# KiCad board EBAZ4205.kicad_pcb (continued)
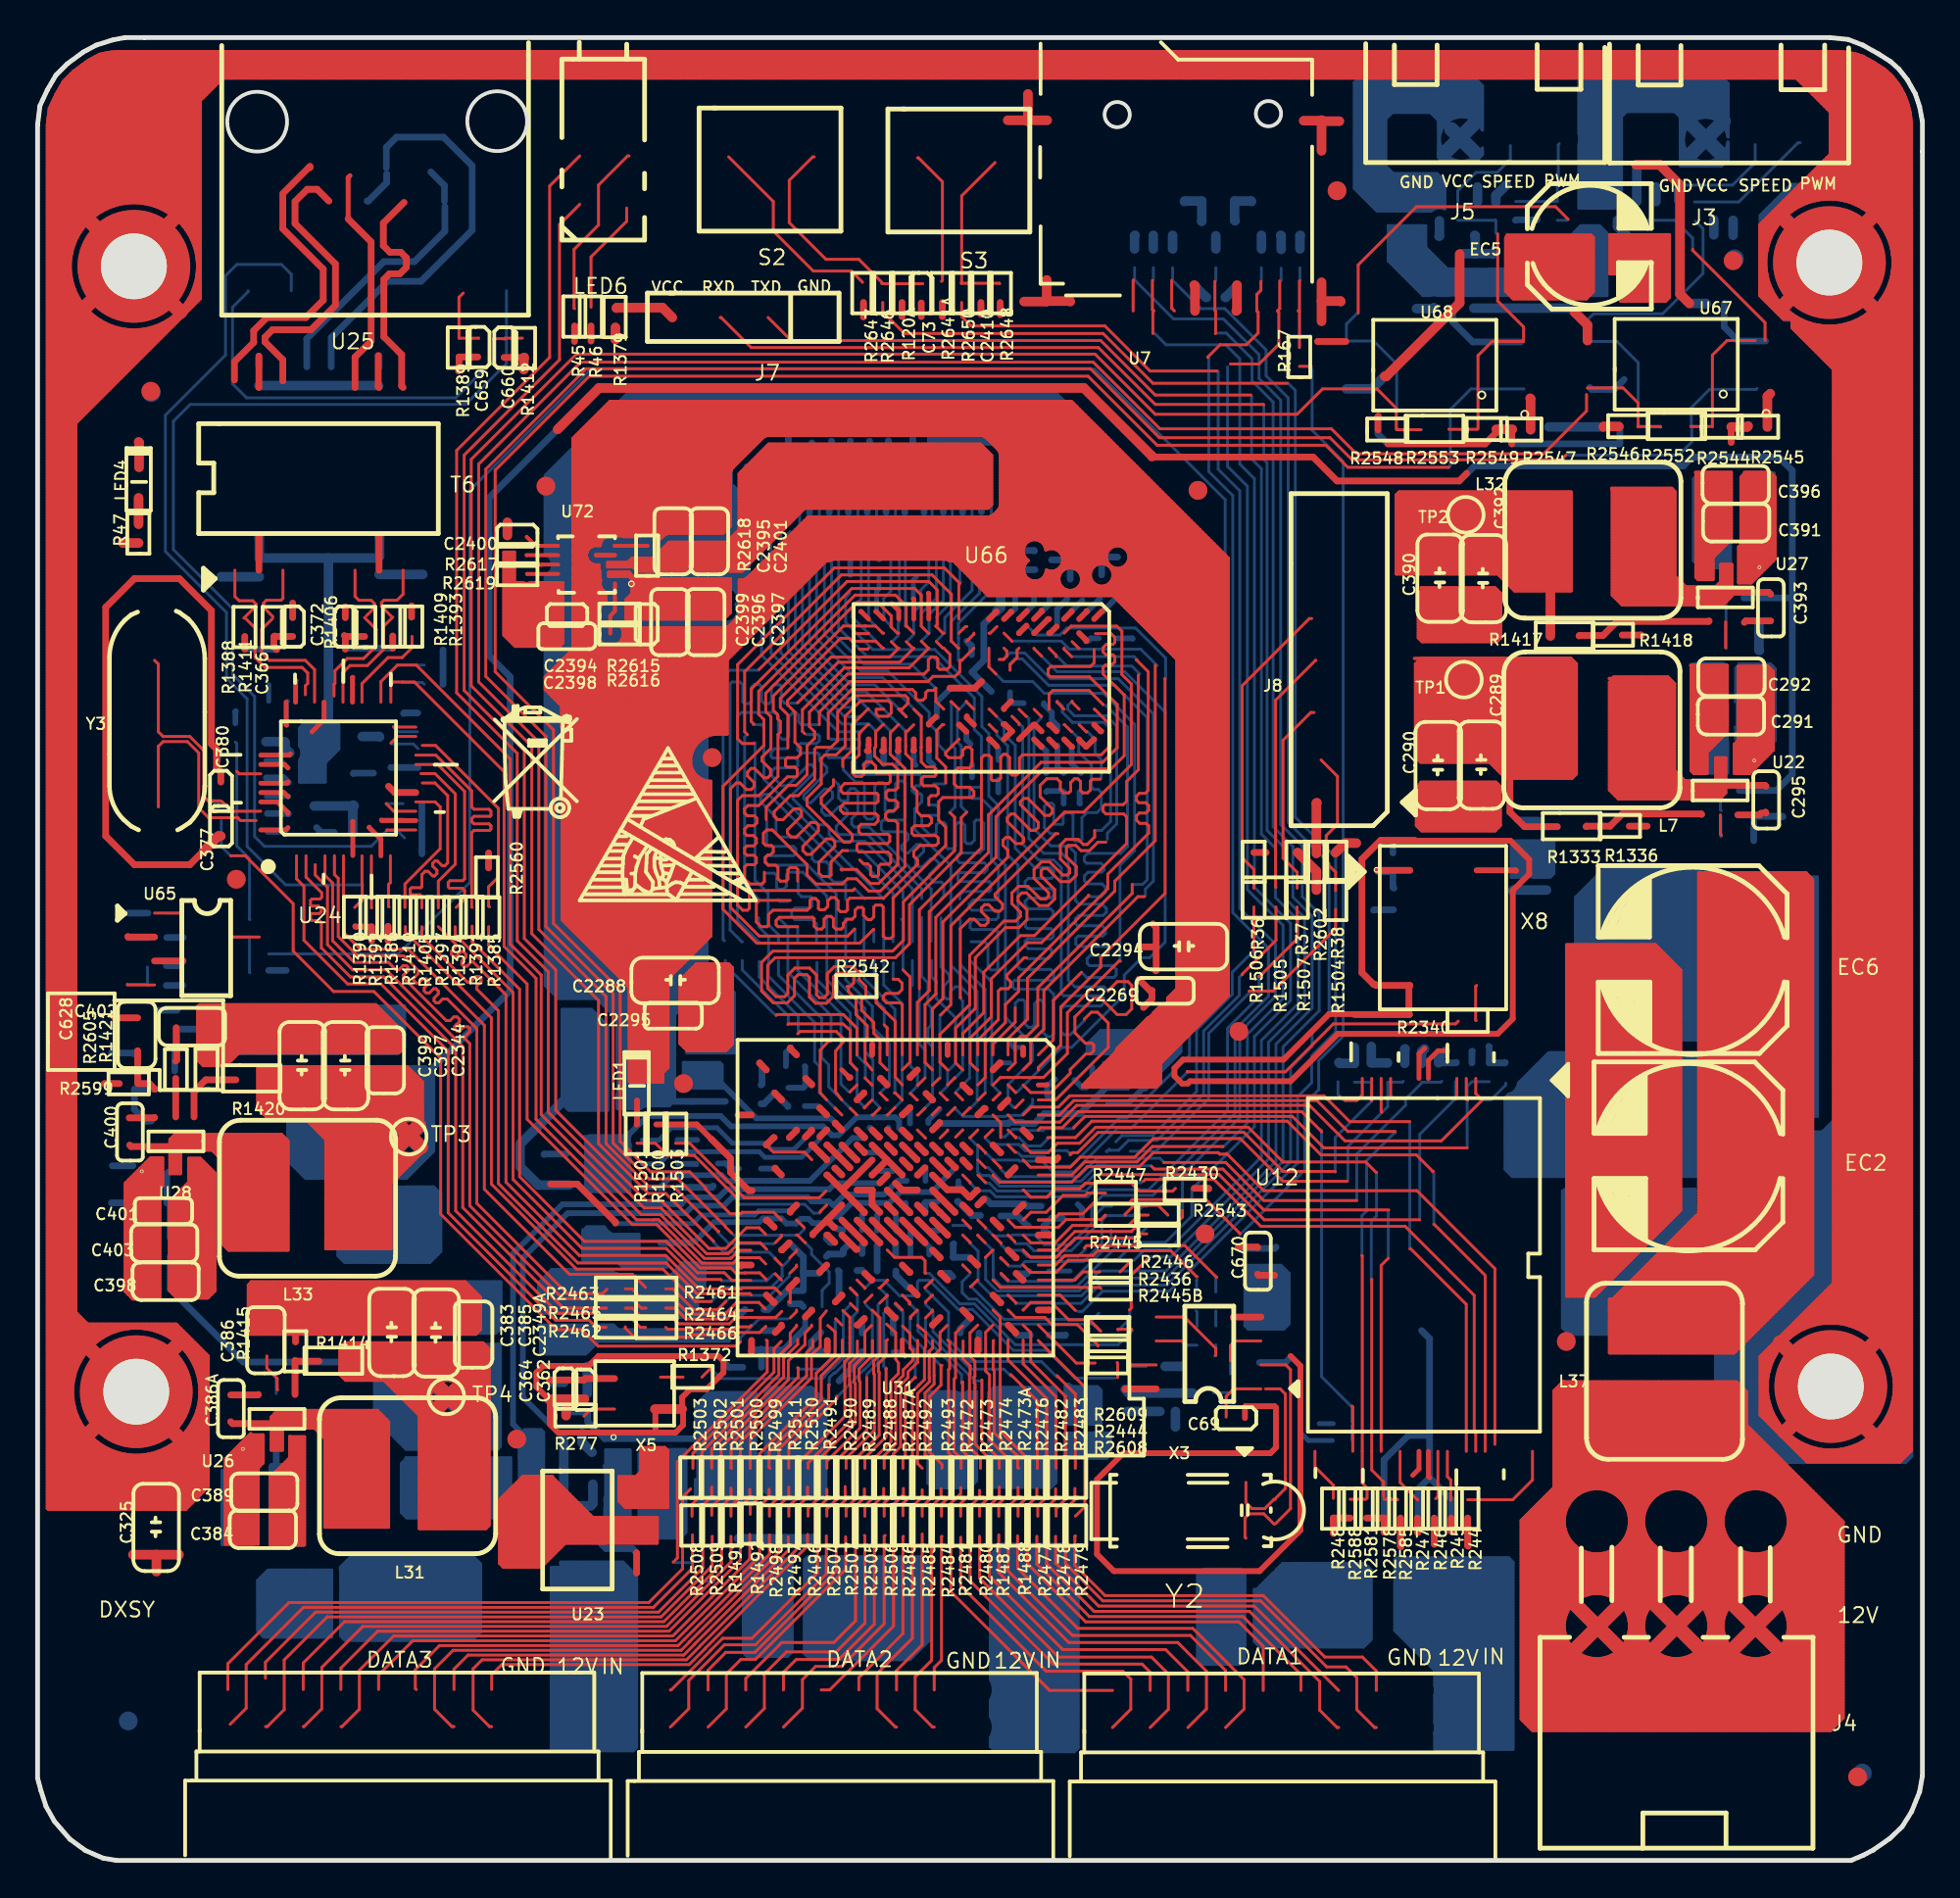
[diagram p0: board, top side]
## Routing (per net, layer and track width the routed paths; a pad name or vN(x,y) marks a point on that pad's centre or on a via; arc(x,y) is an arc through that point) (continued)
40.86,74.49 ; 49.98,34.31 60.66,34.31 ; 70.59,35.07 81.34,35.07 ; 46.45,66.01 46.45,66.79 ; 57.75,0.53 57.75,6.33 ; 49.63,0.53 49.63,6.18 ; 38.07,63.61 38.07,72.99 ; 54.32,69.36 57.08,69.36 ; 60.68,17.8 60.68,19.4 ; 46.98,88.16 51.15,88.16 ; 58.99,63.27 59.31,63.27 ; 72.05,6.62 72.43,6.62 ; 58.54,37.87 62.7,37.87 ; 21.32,71.65 67.16,71.65 ; 28.93,81.03 28.93,87.23 ; 58.07,6.75 58.34,6.75 ; 48.33,36.6 48.57,36.6 ; 52.04,33.29 52.04,37.31 ; 77.57,43.52 77.57,61.15 ; 35.78,0.54 35.78,6.18 ; 63.15,79.14 67.69,79.14 ; 21.32,73.17 37.39,73.17 ; 57.74,31.9 57.83,31.9 ; 75.41,9.96 75.41,17.14 ; 21.31,9.46 21.31,23.95 ; 69.64,6.24 70.83,6.24 ; 46.32,30.03 46.32,30.11 ; 43.8,88.79 44.3,88.79 ; 44.8,30.87 44.8,35.68 ; 30.53,33.55 30.64,33.55 ; 68.97,61.11 69.68,61.11 ; 11.91,80.47 11.91,82.95 ; 48.99,7.67 48.99,8.5 ; 1.92,11.83 79.64,11.83 ; 72.87,42.82 74.7,42.82 ; 39.69,44.98 47.68,44.98 ; 73.18,32.91 79.56,32.91 ; 70.45,35.43 70.45,43.17 ; 2.83,66.82 36.43,66.82 ; 44.32,31.52 46.91,31.52 ; 57.84,69.24 67.19,69.24 ; 7.59,43.57 7.59,46.21 ; 1.93,13.1 40.91,13.1 ; 53.69,58.95 54.02,58.95 ; 13.54,92.35 22.6,92.35 ; 85.77,51.07 86.44,51.07 ; 73.25,17.79 73.25,32.23 ; 2.91,40.79 5.96,40.79 ; 43.4,37.23 43.4,39.66 ; 72.23,34.84 72.23,38.41 ; 43.78,31.56 43.78,32.55 ; 67.41,14.45 67.41,14.78 ; 9.28,83.84 10.32,83.84 ; 16.81,7.77 17.48,7.77 ; 20.29,10.02 20.29,37.77 ; 67.91,57.21 67.91,57.92 ; 44.04,61.21 44.04,64.18 ; 64.87,0.53 64.87,6.22 ; 43.39,37.23 46.26,37.23 ; 68.99,61.49 69.66,61.49 ; 72.01,8.53 72.48,8.53 ; 53.94,26.05 53.94,32.9 ; 69.57,24.26 69.57,35.78 ; 43.91,65.54 43.91,72.09 ; 60.42,21.07 60.42,22.7 ; 72.85,68.47 72.99,68.47 ; 74.61,36.47 82.77,36.47 ; 73.12,40.76 73.12,43.01 ; 24.99,0.54 24.99,6.7 ; 51.46,32.53 51.91,32.53 ; 50.64,38.02 50.64,38.17 ; 12.29,0.55 12.29,6.21 ; 54.83,60.42 54.83,61.37 ; 75.47,8.15 79.65,8.15 ; 46.6,29.99 46.99,29.99 ; 68.8,61.94 68.8,63.33 ; 44.17,60.22 44.25,60.22 ; 68.15,7.01 68.31,7.01 ; 40.36,50.03 40.36,50.85 ; 33.88,8.01 33.88,8.17 ; 59.91,37.62 59.91,62.49 ; 89,60.22 89,61.53 ; 45.18,59.37 45.18,59.77 ; 38.96,32.31 38.96,32.55 ; 59.22,32.28 70.09,32.28 ; 2.86,57.17 42.18,57.17 ; 2.92,38.76 18.96,38.76 ; 43.29,74.44 44.06,74.44 ; 48.1,43.65 48.1,44.63 ; 10.13,10.03 10.13,48.78 ; 2.91,41.04 3.31,41.04 ; 18.64,56.63 18.64,57.82 ; 50.78,33.04 50.88,33.04 ; 52.55,24.66 52.55,38.19 ; 43.53,40.3 43.53,40.74 ; 46.66,40.53 46.97,40.53 ; 47.59,8.02 47.59,8.15 ; 40.83,61.74 43.31,61.74 ; 52.93,24.6 52.93,38.06 ; 68.75,64.54 69.9,64.54 ; 19.25,60.09 37.42,60.09 ; 64.49,0.53 64.49,6.51 ; 34.01,9.94 34.01,15.52 ; 63.07,79.01 66.44,79.01 ; 36.55,89.12 36.55,89.72 ; 45.31,75.19 45.31,86.69 ; 66.7,14.75 67.07,14.75 ; 89.25,70.51 89.25,71.76 ; 38.96,0.54 38.96,6.53 ; 54.69,54.63 55.91,54.63 ; 22.83,24.99 22.83,25.83 ; 52.78,21.61 55.94,21.61 ; 71.6,36.81 71.6,39.44 ; 7.15,79.01 62.48,79.01 ; 51.02,7.71 51.02,8.47 ; 66.39,29.91 66.39,30.04 ; 18.44,6.24 19.86,6.24 ; 75.92,7.72 75.92,8.4 ; 44.29,41.94 44.29,46.81 ; 45.44,89.52 45.44,95.05 ; 56.14,59.84 56.31,59.84 ; 40.1,51.49 40.1,51.94 ; 31.96,89.94 36.13,89.94 ; 84.82,52.47 86.43,52.47 ; 50.75,33.93 50.97,33.93 ; 59.79,63.87 59.79,94.15 ; 4.67,47 4.67,48.8 ; 66.26,0.53 66.26,13.23 ; 30.83,81.34 30.83,87.48 ; 34.6,9.04 34.75,9.04 ; 58.48,26.44 63.12,26.44 ; 2.94,31.9 8.51,31.9 ; 46.71,59.46 46.71,60.62 ; 52.42,45.36 58.46,45.36 ; 67.66,51.71 67.66,55.47 ; 46.86,88.67 51.26,88.67 ; 77.33,60.6 93.11,60.6 ; 8.48,0.55 8.48,17.52 ; 67.66,9.87 67.66,51.59 ; 43.78,29.18 43.78,29.41 ; 49.12,72.79 49.12,74.45 ; 88.74,60.17 88.74,61.75 ; 48.36,33.91 48.36,36.63 ; 14.07,10.03 14.07,16.71 ; 17.62,0.54 17.62,6.36 ; 42.77,28.6 43.7,28.6 ; 34.54,9.42 34.82,9.42 ; 10.39,53.11 42.58,53.11 ; 44.39,34.44 45.22,34.44 ; 55.34,64.28 58.43,64.28 ; 8.95,29.99 35.54,29.99 ; 41.37,0.54 41.37,6.23 ; 40.41,50.95 58.73,50.95 ; 9.13,30.88 35.98,30.88 ; 70.84,40.81 70.84,50.28 ; 27.5,25.29 41.75,25.29 ; 46,34.56 46.82,34.56 ; 43.76,61.62 48.24,61.62 ; 74.14,0.53 74.14,6.82 ; 49.75,38.85 49.75,39.68 ; 49.6,74.95 49.88,74.95 ; 56.64,57.93 67.85,57.93 ; 36.15,8.28 37.22,8.28 ; 72.49,9.58 72.49,38.49 ; 53.44,0.53 53.44,33.24 ; 10.12,19.96 12.84,19.96 ; 22.7,93.21 22.7,96.32 ; 62.45,7.6 62.45,8.52 ; 52.43,27.96 57.96,27.96 ; 43.91,38.81 43.91,39.71 ; 2.86,55.01 12.93,55.01 ; 63.85,47.45 63.85,95.51 ; 91.79,45.33 91.79,76.02 ; 47.59,29.89 47.59,30.34 ; 19.68,40.79 29.21,40.79 ; 46.58,9.4 46.58,25.34 ; 40.84,26.18 44.76,26.18 ; 49.37,67.71 93.09,67.71 ; 42.51,29.21 42.51,32.52 ; 71.07,72.28 72.11,72.28 ; 69,68.98 69.65,68.98 ; 74.65,9.75 74.65,33.66 ; 46.9,58.82 47.96,58.82 ; 20.04,39.35 20.04,63.26 ; 46.31,86.89 51.82,86.89 ; 63.09,38.39 63.09,79.04 ; 53.56,38.82 53.56,40.94 ; 67.74,8.28 68.72,8.28 ; 66.11,30.88 70.61,30.88 ; 9.28,86.76 35.17,86.76 ; 14.07,18.2 14.07,19.54 ; 36.51,8.66 36.86,8.66 ; 81,75.02 81,78.21 ; 13.43,91.89 13.43,84.48 11.27,84.48 ; 76.93,43.59 76.93,60.51 ; 35.28,9.91 35.28,22.76 ; 18.33,88.79 18.79,88.79 ; 69,58.95 69.65,58.95 ; 2.85,60.6 12.9,60.6 ; 18.45,88.16 18.68,88.16 ; 25.62,94.04 25.62,96.32 ; 46.83,9.36 46.83,25.32 ; 28.04,0.54 28.04,6.21 ; 55.91,45.11 58.59,45.11 ; 84.55,38.22 84.55,50.62 ; 86.58,51.19 86.58,51.64 ; 1.91,9.55 9.31,9.55 ; 51.55,91.59 69.89,91.59 ; 29.55,91.33 30.77,91.33 ; 66.26,13.76 66.26,13.89 ; 1.94,15.39 17.29,15.39 ; 36.82,44.85 38.93,44.85 ; 19.78,39.38 19.78,39.59 ; 11.02,64.87 11.02,70.75 ; 38.96,33.2 38.96,38.16 ; 18.46,88.41 18.67,88.41 ; 71.49,50.57 86.47,50.57 ; 58.69,86.76 59.08,86.76 ; 59.07,50.95 70.97,50.95 ; 47.85,39.61 47.85,39.71 ; 63.72,9.83 63.72,26.29 ; 44.29,33.14 44.29,34.24 ; 41.88,60.73 41.88,72.05 ; 33.57,21.23 79.6,21.23 ; 68.62,59.58 70.03,59.58 ; 76.71,63.27 87.98,63.27 ; 72.51,38.5 84.84,38.5 ; 70.45,32.59 70.45,34.82 ; 27.62,25.55 42,25.55 ; 67.58,15.01 79.62,15.01 ; 10.94,61.23 40.4,61.23 ; 13.69,9.91 13.69,16.85 ; 68.68,9.79 68.68,36.53 ; 66.69,14.5 79.63,14.5 ; 52.29,40.36 52.29,40.57 ; 14.7,91 14.7,96.32 ; 46.55,74.7 46.82,74.7 ; 19.34,60.35 37.75,60.35 ; 52.16,25.93 53.88,25.93 ; 34.51,89.18 34.51,96.2 ; 51.15,66.85 51.15,88.01 ; 74.9,74.49 74.9,84.32 ; 34.43,8.53 34.93,8.53 ; 19.06,40.15 19.22,40.15 ; 14.07,20.2 14.07,70.75 ; 21.07,7.01 21.24,7.01 ; 54.47,59.58 54.73,59.58 ; 66.26,19.75 66.26,29.15 ; 75.4,61.49 75.49,61.49 ; 36.02,38.76 38.92,38.76 ; 9.37,76.56 9.37,96.05 ; 47.98,72.72 47.98,74.48 ; 49.15,38.76 49.35,38.76 ; 34.39,0.54 34.39,6.5 ; 19.4,76.56 19.4,87.42 ; 64.75,45.99 92.47,45.99 ; 9.11,29.37 9.11,30.27 ; 11.78,80.49 11.78,82.83 ; 57.42,8.15 58.99,8.15 ; 56.98,60.22 88.34,60.22 ; 33.62,83.04 33.62,96.3 ; 54.14,38.5 57.07,38.5 ; 40.26,43.58 41.83,43.58 ; 59.15,8 59.15,8.12 ; 12.16,10.03 12.16,70.37 ; 2.82,68.35 48.94,68.35 ; 75.94,9.67 79.64,9.67 ; 88.76,73.68 93.08,73.68 ; 5.18,50.54 5.18,77.05 ; 2.89,48.28 52.31,48.28 ; 27.27,9.32 27.27,25.18 ; 49.12,61.92 49.12,63.48 ; 68.74,69.62 69.91,69.62 ; 55.72,47.63 55.72,51.04 ; 2.88,50.82 39.77,50.82 ; 58.14,93.58 58.14,93.93 ; 26.75,64.66 43.43,64.66 ; 66.52,30.73 66.52,78.23 ; 9.37,29.17 9.37,56.04 ; 42.26,29.17 42.26,32.54 ; 10.12,24.02 21.21,24.02 ; 43.15,54.14 43.15,57.97 ; 22.83,93.49 22.83,96.32 ; 72.08,75.08 78.22,75.08 ; 11.57,82.7 13.13,82.7 ; 56.87,68.74 56.87,92.18 ; 46.5,30.88 49.48,30.88 ; 18.47,79.9 61.89,79.9 ; 66.85,13.23 66.97,13.23 ; 10.12,24.28 21.02,24.28 ; 2.92,37.36 43.77,37.36 ; 56.23,44.2 56.23,51.13 ; 14.7,0.55 14.7,6.39 ; 74.65,34.04 74.65,36.54 ; 50.02,34.44 60.57,34.44 ; 29.13,27.45 37.04,27.45 ; 42.01,91.38 42.01,95.42 ; 22.97,8.66 23.35,8.66 ; 13.52,54.63 18.23,54.63 ; 73.84,17.42 74.86,17.42 ; 13.52,57.81 18.66,57.81 ; 36.67,37.15 36.67,42.92 ; 19.02,0.54 19.02,6.81 ; 36.04,68.12 36.04,81.24 ; 40.23,7.86 40.23,8.32 ; 55.6,29.36 57.79,29.36 ; 50.01,38.58 50.01,39.96 ; 46.96,87.9 51.16,87.9 ; 11.65,80.47 11.65,82.74 ; 20.54,7.97 20.54,8.26 ; 14.81,7.77 15.47,7.77 ; 12.4,90.83 13.9,90.83 ; 43.28,65.52 43.28,72.04 ; 64.13,8.91 64.31,8.91 ; 2.88,49.3 4.43,49.3 ; 55.4,64.16 58.23,64.16 ; 70.58,32.58 70.58,35.03 ; 42.01,25.55 42.01,34.38 ; 65.76,18.46 65.76,18.74 ; 66.52,0.53 66.52,6.48 ; 28.22,27.45 28.36,27.45 ; 48.53,82.06 70.04,82.06 ; 21.32,73.3 37.38,73.3 ; 76.17,74.2 76.17,83.05 ; 89.89,54.85 89.89,64.16 ; 2.88,50.31 4.42,50.31 ; 42.39,0.54 42.39,6.48 ; 45.78,65.04 45.87,65.04 ; 70.51,82.06 77.15,82.06 ; 43.53,64.78 43.53,64.91 ; 76.55,61.86 76.55,62.18 ; 52.37,7.77 56.58,7.77 ; 1.89,5.74 79.66,5.74 ; 21.32,76.22 27.28,76.22 ; 46.51,60.6 46.72,60.6 ; 1.88,5.23 79.66,5.23 ; 42.56,9.42 42.84,9.42 ; 57.15,46.63 58.31,46.63 ; 8.36,33.93 30.36,33.93 ; 44.8,89.32 44.8,95.12 ; 56.65,57.17 67.75,57.17 ; 63.43,8.15 65,8.15 ; 58.43,26.56 62.46,26.56 ; 42.9,41.92 42.9,52.38 ; 10.64,94.1 10.64,96.32 ; 57.61,6.24 58.79,6.24 ; 58.77,62.76 59.62,62.76 ; 1.91,10.05 79.64,10.05 ; 46.96,67.31 46.96,72.06 ; 2.9,45.74 48.75,45.74 ; 66.14,31.39 66.14,78.47 ; 47.99,60.47 56.47,60.47 ; 25.37,66.57 25.37,82.72 ; 17.62,14.58 17.62,15.08 ; 64.87,77.74 64.96,77.74 ; 16.1,90.93 16.1,96.32 ; 41.63,38.92 41.63,39.66 ; 48.36,62.74 48.36,64.57 ; 46.49,74.57 46.88,74.57 ; 45.94,40.31 45.94,40.66 ; 61.61,94.76 69.87,94.76 ; 52.07,28.47 57.9,28.47 ; 68.25,72.41 70.4,72.41 ; 24.77,9.8 25.56,9.8 ; 84.58,75.33 89.76,75.33 ; 53.06,24.43 53.06,38.11 ; 28.99,8.66 32.85,8.66 ; 85.31,38.97 85.31,50.62 ; 2.9,45.36 6.07,45.36 ; 56.87,22.91 56.87,36.35 ; 71.36,65.93 93.1,65.93 ; 32.27,16.4 59.68,16.4 ; 37.74,90.83 40.36,90.83 ; 46.71,30.75 46.71,36.6 ; 57.88,38.14 57.88,47.6 ; 54.83,62.03 54.83,63.71 ; 54.45,59.6 54.45,61.36 ; 72.49,0.53 72.49,6.54 ; 68.08,79.78 79.44,79.78 ; 82.01,35.95 82.01,78.17 ; 18,89.13 18,89.36 ; 36.04,38.75 36.04,43.6 ; 68.93,56.66 69.65,56.66 ; 71.98,79.28 71.98,87.25 ; 42.3,82.44 43.69,82.44 ; 52.36,8.4 56.54,8.4 ; 17.91,13.86 18.4,13.86 ; 2.92,38.63 18.93,38.63 ; 73.79,9.8 74.7,9.8 ; 21.43,64.79 21.43,87.42 ; 46.32,0.54 46.32,6.41 ; 48.1,26.74 48.1,31.71 ; 68.97,59.08 69.68,59.08 ; 50.01,35.25 50.01,35.93 ; 68.8,36.96 68.8,55.73 ; 4.92,46.99 4.92,48.8 ; 88.23,70.22 88.23,70.88 ; 21.31,0.54 21.31,6.76 ; 46.45,67.51 46.45,72.12 ; 41.5,89.14 41.5,89.71 ; 63.09,7.99 63.09,8.13 ; 63.22,9.98 63.22,26.3 ; 19.65,63.05 19.65,63.32 ; 60.05,8.66 60.37,8.66 ; 50.52,9.55 50.93,9.55 ; 36.27,23.52 51.78,23.52 ; 66.26,14.35 66.26,14.86 ; 25.86,91.33 28.15,91.33 ; 70.96,67.28 70.96,68.12 ; 62.96,27.17 62.96,30.72 ; 76.49,63.52 87.98,63.52 ; 29.1,9.04 32.75,9.04 ; 46.58,67.54 46.58,87.11 ; 10.74,8.4 11.52,8.4 ; 2.88,51.46 39.88,51.46 ; 49.95,32.66 50.1,32.66 ; 24.1,0.54 24.1,6.2 ; 42.15,91.21 46.04,91.21 ; 42.51,43.89 42.51,52.43 ; 18.93,56.15 47.03,56.15 ; 89.46,61.74 93.11,61.74 ; 44.04,53.51 44.04,59.76 ; 45.05,41.96 45.05,44.08 ; 4.09,75.97 8.27,75.97 ; 6.19,29.37 6.19,40.66 ; 43.91,82.54 43.91,87.81 ; 2.92,38.25 18.96,38.25 ; 49.12,41.14 49.12,41.39 ; 14.91,7.64 15.37,7.64 ; 68.99,58.69 69.66,58.69 ; 65.25,0.53 65.25,6.15 ; 56.48,44.25 56.48,54.51 ; 19.53,14.61 19.53,15.13 ; 74.65,33.68 79.92,33.68 ; 42.27,6.37 43.13,6.37 ; 68.42,64.76 68.42,65.57 ; 67.66,62.2 67.66,63.07 ; 38.83,29.84 38.83,31.14 ; 62.72,35.71 81.42,35.71 ; 7.94,46.25 36.23,46.25 ; 60.78,86.38 62.32,86.38 ; 59.15,81.61 59.15,83.75 ; 79.63,12.59 43.15,12.59 43.15,9.82 ; 52.55,22.36 52.55,22.81 ; 84.42,38.1 84.42,50.71 ; 55.41,66.44 56.26,66.44 ; 71.5,55.65 78.44,55.65 ; 46,34.44 46.81,34.44 ; 70.96,52.88 70.96,55.37 ; 61.82,87.62 61.82,94.83 ; 13.3,93.48 13.3,96.32 ; 58.26,25.15 58.26,25.99 ; 71.34,8 71.34,8.13 ; 47.47,65.04 47.47,65.56 ; 88.64,61.62 88.84,61.62 ; 10.38,9.99 10.38,48.77 ; 27.91,27.73 27.91,75.86 ; 73.5,71.12 73.5,71.57 ; 40.23,26.55 40.23,28.6 ; 70.45,72.42 70.45,82.02 ; 69.95,67.12 69.95,68.28 ; 58.64,51.96 67.81,51.96 ; 44.17,31.62 44.17,32.52 ; 68.55,64.7 68.55,65.64 ; 45.56,0.54 45.56,6.18 ; 34.47,6.62 34.88,6.62 ; 50.9,64.2 50.9,65.31 ; 37.31,27.98 37.31,34.44 ; 86.71,51.23 86.71,51.6 ; 5.19,50.44 7.23,50.44 ; 58.42,29.61 66.03,29.61 ; 28.93,43.98 28.93,80.67 ; 73.88,28.52 73.88,33.89 ; 15.06,9.04 15.22,9.04 ; 70.16,9.04 70.31,9.04 ; 52.45,22.63 55.88,22.63 ; 82.77,52.03 82.77,78.17 ; 10.13,49.52 10.13,53.1 ; 48.41,36.72 48.49,36.72 ; 77.26,40.41 86.78,40.41 ; 10.12,21.48 32.26,21.48 ; 68.42,9.5 68.42,22.93 ; 2.83,64.92 18.87,64.92 ; 27.4,7.64 27.4,8.59 ; 68.17,67.36 68.17,68.04 ; 59.02,63.14 59.71,63.14 ; 43.78,10 43.78,25.5 ; 58.91,63.39 59.16,63.39 ; 53.44,69.74 57.34,69.74 ; 58.56,51.71 67.66,51.71 ; 70.33,72.39 70.33,81.98 ; 60.52,86.13 62.52,86.13 ; 2.83,64.79 10.79,64.79 ; 51.61,36.72 56.18,36.72 ; 10.12,24.79 20.93,24.79 ; 26.77,9.81 26.77,19.58 ; 40.3,59.33 44.67,59.33 ; 56.23,0.53 56.23,21.45 ; 37.26,24.91 41.83,24.91 ; 7.97,46.88 44.21,46.88 ; 23.34,84.2 23.34,91.08 ; 2.87,52.6 38.28,52.6 ; 59.79,0.53 59.79,6.35 ; 62.58,31.41 62.58,35.45 ; 68.4,70.63 70.25,70.63 ; 81.38,35.1 81.38,74.41 ; 65.43,86.25 65.84,86.25 ; 8.73,33.4 8.73,34.09 ; 54.33,26.19 54.33,54.26 ; 74.01,7.6 74.01,8.53 ; 14.92,6.62 15.36,6.62 ; 70.2,82.76 70.2,89.03 ; 26.77,0.54 26.77,6.41 ; 39.72,82.51 39.72,95.66 ; 47.09,38.9 47.09,39.68 ; 8.61,31.36 8.61,31.87 ; 18.26,15.05 18.26,54.59 ; 35.15,7.86 35.15,8.32 ; 70.33,54.51 70.33,55.37 ; 58.9,37.06 58.9,45.01 ; 2.84,62.38 19.24,62.38 ; 5.75,77.62 64.48,77.62 ; 88.49,73.71 88.49,78.14 ; 42.39,25.47 42.39,28.44 ; 52.8,22.37 52.8,22.79 ; 69.45,8.15 71.02,8.15 ; 30.45,81.2 30.45,96.32 ; 66.14,8.91 66.31,8.91 ; 23.08,93.84 23.08,96.32 ; 51.39,59.46 53.13,59.46 ; 18.38,14.92 18.38,15.29 ; 55.34,37.74 56.57,37.74 ; 44.34,34.31 45.26,34.31 ; 36.55,91.63 36.55,95.99 ; 39.5,32.66 39.63,32.66 ; 40.83,44.09 44.97,44.09 ; 42.13,39.48 42.13,39.82 ; 52.35,90.57 69.9,90.57 ; 22.58,8.28 23.74,8.28 ; 66.14,19.83 66.14,29.23 ; 29.31,0.54 29.31,33.05 ; 46.96,26.02 46.96,28.61 ; 43.66,49.92 43.66,51.38 ; 37.69,8.03 37.69,8.15 ; 28.13,27.07 28.48,27.07 ; 19.07,7.26 19.23,7.26 ; 40.41,72.54 40.71,72.54 ; 18.37,80.41 78.8,80.41 ; 29.94,0.54 29.94,33.13 ; 15.97,8.04 15.97,8.19 ; 47.09,46.76 47.09,55.97 ; 29.19,91.59 31.13,91.59 ; 75.85,6.37 79.66,6.37 ; 77.32,43.71 90.14,43.71 ; 52.24,40.41 69.19,40.41 ; 53.06,38.78 53.06,60.76 ; 21.32,71.39 67.15,71.39 ; 50.13,40.29 50.13,40.58 ; 9.29,94 10.51,94 ; 46.96,41.16 46.96,41.36 ; 64.14,9.16 64.3,9.16 ; 89.76,54.94 89.76,64.16 ; 59.75,9.8 60.66,9.8 ; 2.93,35.83 26.94,35.83 ; 55.37,66.31 56.3,66.31 ; 18.38,80.4 18.38,87.96 ; 44.49,72.28 44.77,72.28 ; 38.2,60.86 38.2,63.06 ; 67.5,15.39 79.62,15.39 ; 16.35,8.03 16.35,8.2 ; 40.1,44.85 40.1,49.47 ; 86.71,40.34 86.71,48.67 ; 57.59,44.34 90.79,44.34 ; 43.04,58.57 67.19,58.57 ; 19.18,58.06 42.49,58.06 ; 21.18,25.29 21.18,70.75 ; 47.7,90.19 50.5,90.19 ; 41.37,12.89 41.37,30.94 ; 2.82,74.7 8.27,74.7 ; 61.44,7.97 61.44,8.15 ; 5.81,29.37 5.81,77.68 ; 70.45,69.89 70.45,70.58 ; 25.42,84.35 58,84.35 ; 66.39,18.21 66.39,18.99 ; 43.64,49.93 44.4,49.93 ; 68.99,69.11 69.66,69.11 ; 10.79,61.49 40.08,61.49 ; 45.18,41.01 45.18,41.41 ; 71.65,6.24 72.83,6.24 ; 5.15,46.76 7.38,46.76 ; 35.28,44.38 35.28,67.32 ; 5.49,77.36 64.87,77.36 ; 47.55,41.42 47.7,41.42 ; 7.97,50.61 7.97,79.83 ; 34.39,68.07 34.39,81.43 ; 21.81,9.96 21.81,23.8 ; 58.39,63.44 58.39,63.53 ; 19.02,15.13 19.02,15.24 ; 40.61,60.3 40.61,61.26 ; 29.11,41.68 42.81,41.68 ; 80.74,76.53 80.74,78.47 ; 22.07,0.54 22.07,6.2 ; 19.53,15.91 19.53,37.67 ; 32.23,88.69 32.23,90.18 ; 58.9,36.49 58.9,36.84 ; 55.09,29.59 55.09,37.31 ; 64.49,9.61 64.49,45.88 ; 17.24,7.32 17.24,8.9 ; 45.94,60.37 45.94,60.6 44.05,60.6 ; 52.55,8.66 56.36,8.66 ; 36.16,29.99 36.16,30.54 ; 67.91,79.89 67.91,95.93 ; 88.91,70.63 93.09,70.63 ; 59.64,7.89 60.78,7.89 ; 51.17,59.71 54.88,59.71 ; 70.55,34.95 71.67,34.95 ; 41.11,12.34 41.67,12.34 ; 59.23,45.49 91.95,45.49 ; 19.19,59.46 37.73,59.46 ; 41.37,31.61 41.37,34.17 ; 48.86,65.17 51.56,65.17 ; 42.62,43.58 48.06,43.58 ; 2.87,54.76 13,54.76 ; 52.22,65.04 55.48,65.04 ; 42.64,58.56 42.64,86.73 ; 72.11,32.37 72.11,34.29 ; 63.85,33.72 63.85,46.85 ; 24.94,6.62 25.39,6.62 ; 49.37,68.23 49.37,72.05 ; 42.13,82.72 42.13,86.78 ; 2.8,73.3 8.27,73.3 ; 48.7,43.71 56.07,43.71 ; 23.85,8 23.85,8.23 ; 40.48,62.02 40.48,90.18 ; 87.73,52.27 87.73,52.38 ; 9.27,81.43 33.16,81.43 ; 40.23,9.83 40.23,25.9 ; 52.55,7.53 52.55,8.65 ; 64.67,77.62 64.88,77.62 ; 39.47,8 39.47,8.18 ; 51.79,91.51 51.79,94.39 ; 25.28,94.25 53.03,94.25 ; 88.23,60.15 88.23,61.51 ; 49.25,40.15 49.25,45.56 ; 50.63,25.67 51.42,25.67 ; 72.16,9.16 72.32,9.16 ; 88.73,63.27 93.11,63.27 ; 18.51,40.71 18.51,54.44 ; 43.97,65.17 44.37,65.17 ; 26.26,20.3 26.26,64.56 ; 16.73,55.69 16.73,64.31 ; 43.91,34.88 43.91,37.29 ; 80.49,34.23 80.49,75.91 ; 9.28,83.33 10.3,83.33 ; 53.77,64.28 53.87,64.28 ; 43.28,72.76 43.28,74.44 ; 89,72.66 93.08,72.66 ; 41.12,72.79 41.12,74.41 ; 22.19,8.05 22.19,8.17 ; 52.36,40.28 69.23,40.28 ; 42.07,9.93 43.33,9.93 ; 2.82,68.6 52.69,68.6 ; 63.11,30.88 65.54,30.88 ; 71.38,40.53 72.38,40.53 ; 43.43,12.97 79.63,12.97 ; 68.29,51.96 82.56,51.96 ; 22.45,25.27 22.45,82.65 ; 69.18,8 69.18,8.12 ; 87.09,52.9 87.09,78.14 ; 25.83,65.93 26.24,65.93 ; 11.4,70.57 11.4,70.75 ; 55.21,62.06 55.21,63.7 ; 36.42,89.24 36.42,89.76 ; 14.32,10.01 14.32,16.87 ; 47.85,62.79 47.85,64.48 ; 14.38,8.02 15.9,8.02 ; 68.44,51.71 82.39,51.71 ; 43.43,13.48 66.16,13.48 ; 55.85,65.29 55.85,93.96 ; 60.38,62.76 75.07,62.76 ; 48.46,26.56 57.77,26.56 ; 44.42,65.21 44.42,65.35 ; 44.08,53.11 93.13,53.11 ; 70.45,0.53 70.45,6.58 ; 2.89,48.53 58.22,48.53 ; 51.44,37.36 51.86,37.36 ; 19.06,8.91 19.24,8.91 ; 72.15,6.88 72.34,6.88 ; 65.88,19.88 65.88,30.76 ; 60.69,17.8 65.33,17.8 ; 70.15,9.16 70.32,9.16 ; 13.54,92.73 22.6,92.73 ; 26.35,20.21 26.51,20.21 ; 8.73,34.79 8.73,56.32 ; 27.69,35.96 44.45,35.96 ; 87.6,41.21 87.6,48.67 ; 50.77,65.95 50.77,66.18 ; 45.3,26.56 45.88,26.56 ; 20.92,88.9 20.92,89.23 ; 52.17,25.29 52.17,25.81 ; 52.65,9.16 56.28,9.16 ; 13.94,10.01 13.94,16.71 ; 58.61,28.34 73.28,28.34 ; 45.91,36.34 49.34,36.34 ; 46.96,88.33 46.96,89.66 ; 12.37,8.02 13.9,8.02 ; 44.11,59.84 44.33,59.84 ; 73.76,28.58 73.76,33.76 ; 45.94,0.54 45.94,6.2 ; 14.83,7.74 14.83,8.48 ; 18.99,7.51 19.31,7.51 ; 65.84,7.77 66.61,7.77 ; 62.14,9.04 62.29,9.04 ; 50.58,6.75 50.87,6.75 ; 24.73,0.54 24.73,6.39 ; 50.39,41.24 50.39,62.39 ; 45.69,34.88 45.69,35.66 ; 51.28,61.2 51.28,62.87 ; 64.1,47.54 64.1,95.55 ; 29.05,7.43 29.05,8.8 ; 8.35,0.55 8.35,17.52 ; 88.66,62.89 93.11,62.89 ; 57.88,48.15 64.44,48.15 ; 18.77,60.7 18.77,64.16 ; 32.31,90.32 35.87,90.32 ; 44.67,89.23 44.67,95.13 ; 13.43,58.53 13.43,60.08 ; 72.49,69.73 72.49,69.87 ; 38.44,7.64 38.94,7.64 ; 44.45,8.53 44.96,8.53 ; 12.8,7.77 13.47,7.77 ; 45.18,47.09 45.18,58.73 ; 2.94,32.28 8.25,32.28 ; 55.34,37.72 55.34,38.68 ; 87.83,52.09 93.14,52.09 ; 16.99,7.51 16.99,8.72 ; 39.09,72.74 39.09,74.43 ; 71.22,40.78 71.22,50.2 ; 65.25,8 65.25,8.12 ; 11.4,84.46 11.4,90.7 ; 33.5,21.94 33.5,67.34 ; 2.84,61.62 40.06,61.62 ; 75.41,74.4 75.41,83.81 ; 2.8,74.44 8.27,74.44 ; 20.29,88.94 20.29,89.23 ; 31.97,0.54 31.97,15.99 ; 50.04,30.5 65.9,30.5 ; 52.93,22.3 52.93,22.84 ; 50.57,25.8 51.38,25.8 ; 52.19,38.88 54.78,38.88 ; 62.84,80.92 78.3,80.92 ; 47.21,66.05 47.21,72.01 ; 68.94,96.03 69.86,96.03 ; 29.17,42.18 50.93,42.18 ; 47.09,75.18 47.09,89.68 51.12,89.68 ; 48.24,65.68 49.03,65.68 ; 12.03,10.02 12.03,70.15 ; 42.51,40.44 42.51,43.36 ; 88.62,72.05 88.62,72.14 ; 43.59,40.91 44.47,40.91 ; 45.94,40.66 46.08,40.66 ; 1.88,3.83 79.67,3.83 ; 72.16,7.13 72.32,7.13 ; 45.13,29.48 45.29,29.48 ; 32.26,16.28 59.83,16.28 ; 2.86,56.28 8.74,56.28 ; 65.25,86.13 66.03,86.13 ; 75.87,7.77 79.65,7.77 ; 51.66,61.24 51.66,61.33 ; 50.77,0.53 50.77,31.87 ; 3.14,29.57 3.14,75.02 ; 47.61,28.72 49.26,28.72 ; 19.02,76.56 19.02,87.59 ; 51.77,8.15 56.98,8.15 ; 35.53,89.58 35.53,96.1 ; 43.66,10 43.66,28.66 ; 14.95,8.66 15.33,8.66 ; 5.09,50.69 7.34,50.69 ; 16.68,6.37 17.61,6.37 ; 43.4,72.68 43.4,74.52 ; 47.79,56.03 48.25,56.03 ; 71.87,39.64 72.79,39.64 ; 64.36,46.65 64.36,46.85 ; 42.39,57.92 42.39,59.49 ; 52.3,6.37 56.6,6.37 ; 67.79,51.94 67.79,55.42 ; 12.03,83.97 12.67,83.97 ; 48.74,46.08 48.74,55.43 ; 76.73,72.16 88.51,72.16 ; 58.62,28.21 73.26,28.21 ; 69.44,36.6 70.86,36.6 ; 48.24,38.12 48.75,38.12 ; 1.88,3.7 79.67,3.7 ; 61.31,42.37 61.31,83.54 ; 21.31,64.71 21.31,70.75 ; 25.92,93.75 56.97,93.75 ; 9.29,91.84 